# Altium PCB PT-PWR-EPS-002_v1.PcbDoc (part 1 of 3) (continued)
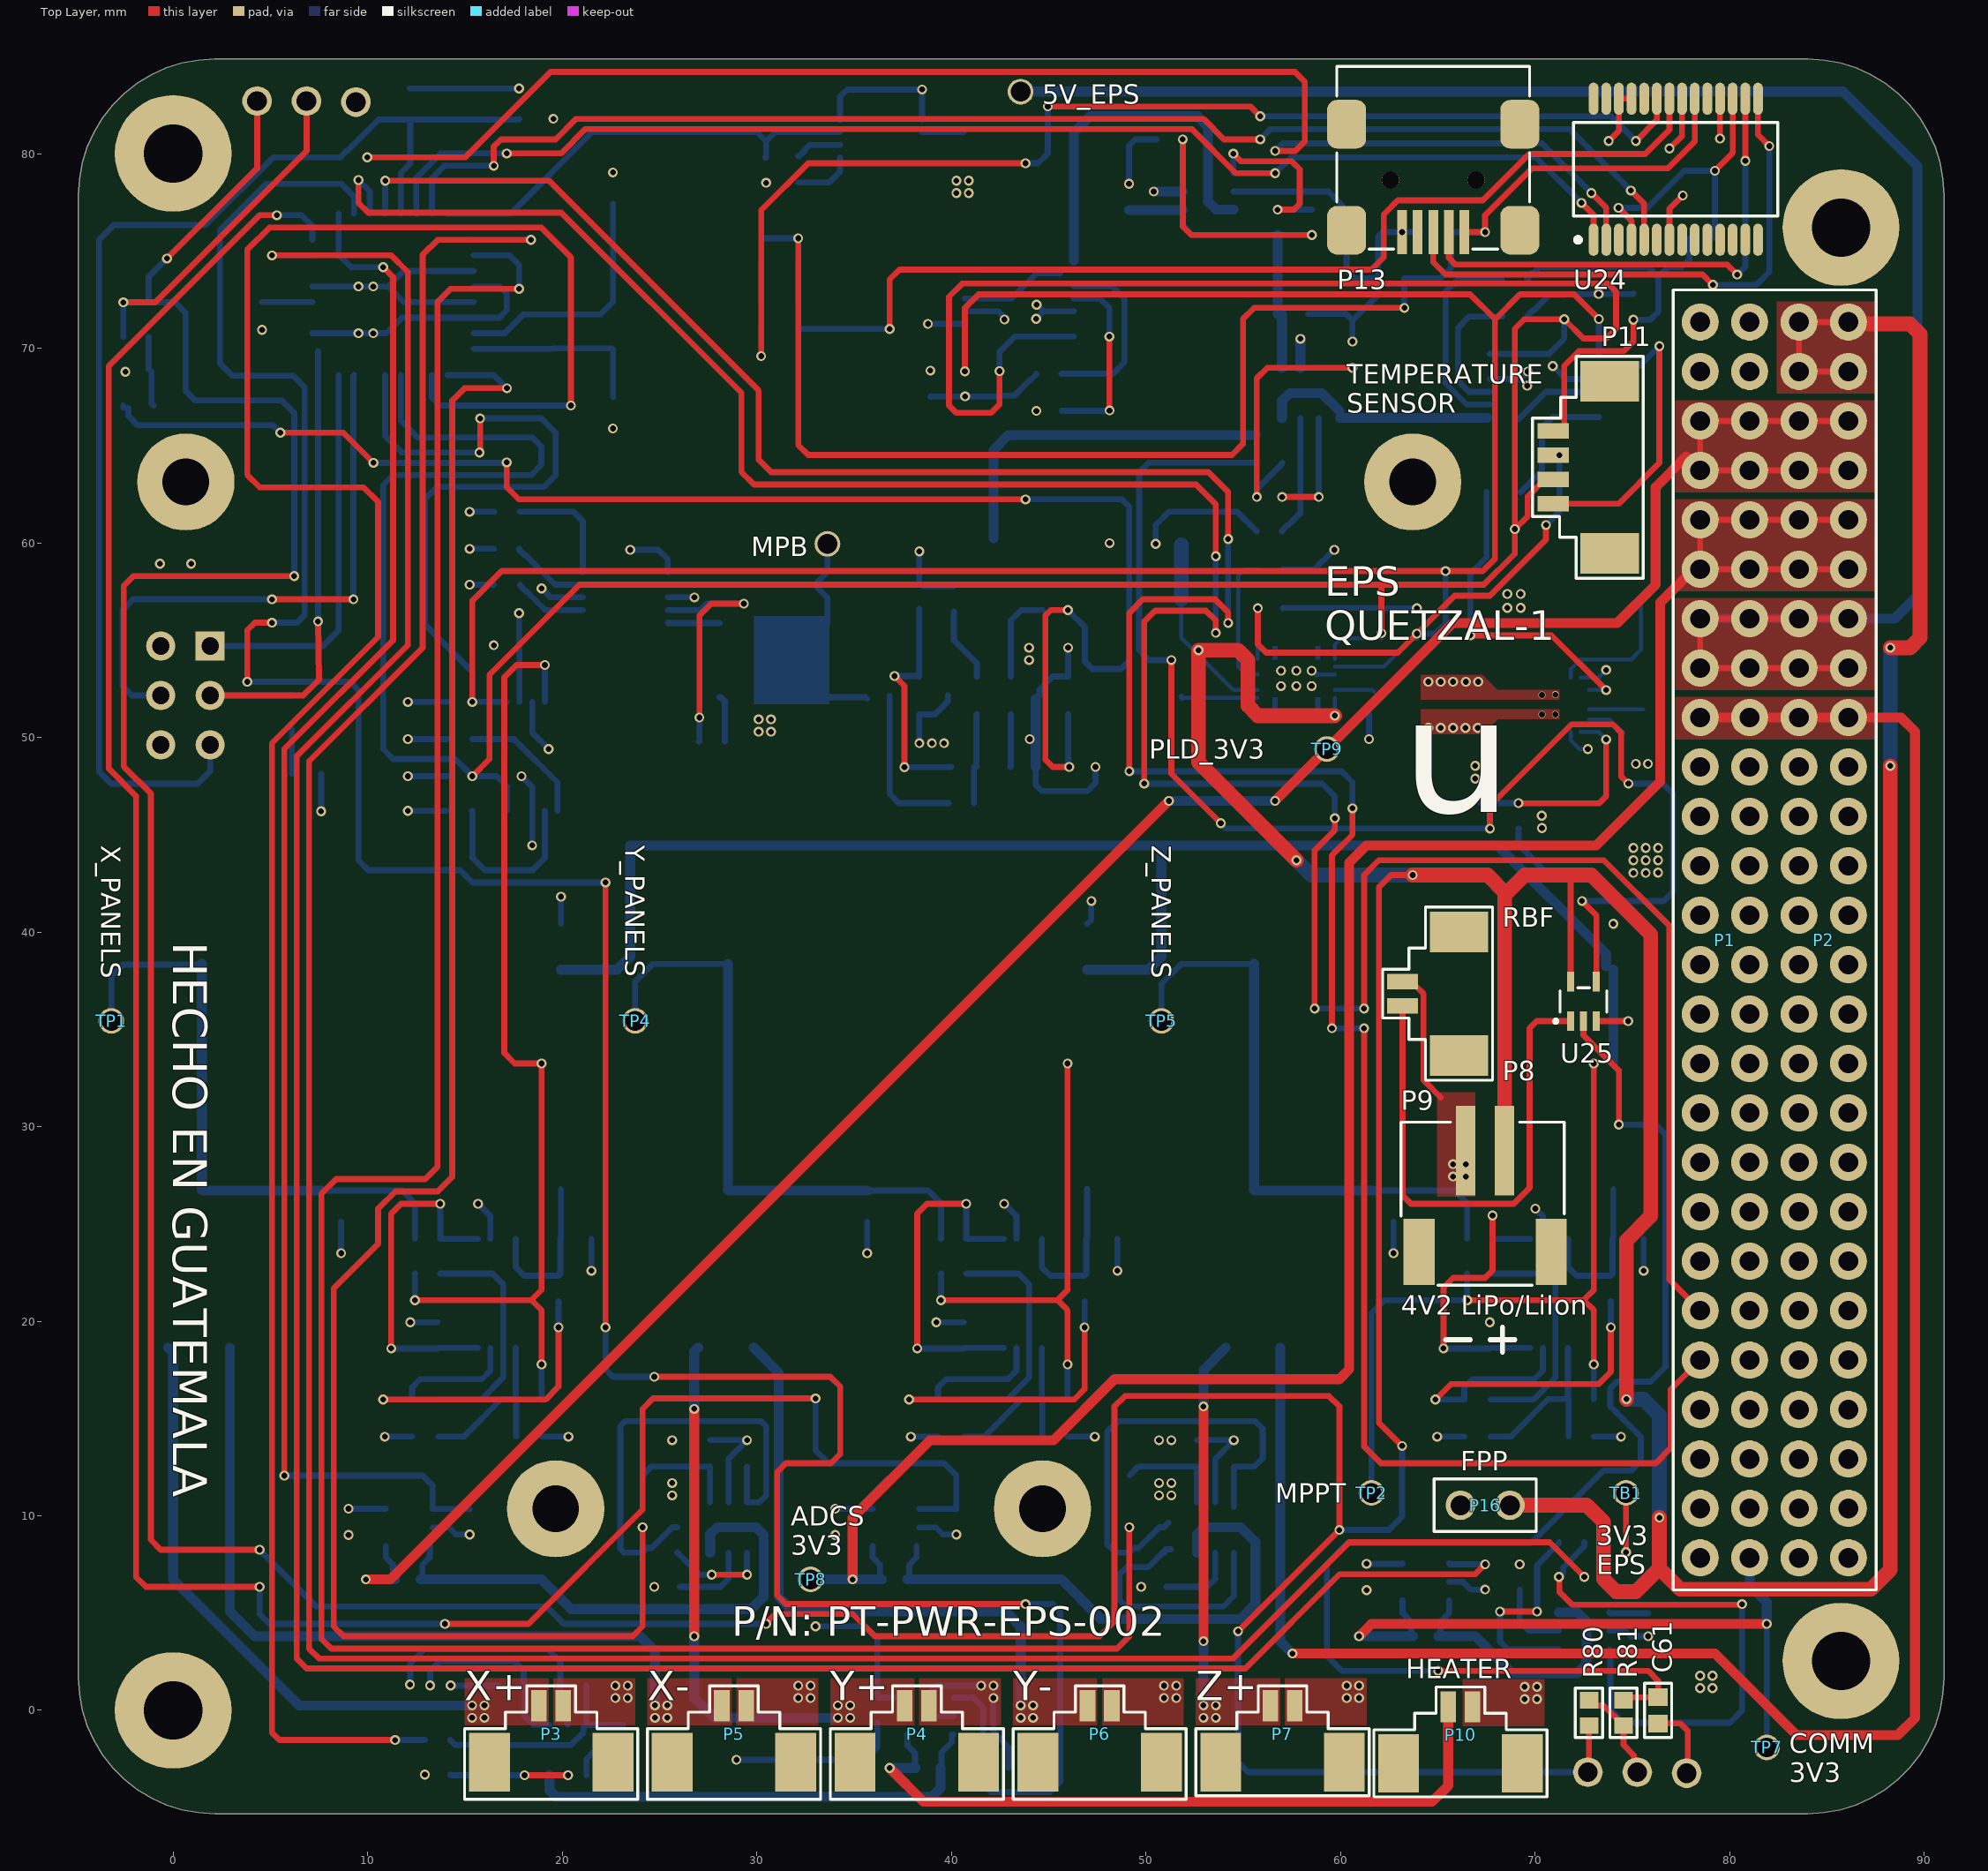
[diagram p0: Top Layer view]
## Part data (continued)
P7 P8 P10: "CONN HEADER 2POS 1.25MM VERT SMD", Color=Natural, Manufacturer=Molex, Supplier Part Number 1=WM7606CT-ND, Category="Connectors, Interconnects", ComponentLink1Description=https://datasheet.ciiva.com/6813/533980271-sd-6813860.pdf, ComponentLink1URL=https://datasheet.ciiva.com/6813/533980271-sd-6813860.pdf, ComponentLink2Description=https://datasheet.ciiva.com/3117/0533980271-pcb-headers-3117624.pdf, ComponentLink2URL=https://datasheet.ciiva.com/3117/0533980271-pcb-headers-3117624.pdf, ComponentLink3Description=https://datasheet.ciiva.com/3117/0533980271-pcb-headers-3117625.pdf, ComponentLink3URL=https://datasheet.ciiva.com/3117/0533980271-pcb-headers-3117625.pdf, ComponentLink4Description=https://datasheet.ciiva.com/6813/533980271-sd-6813869.pdf, ComponentLink4URL=https://datasheet.ciiva.com/6813/533980271-sd-6813869.pdf, Connector Type="Header, Shrouded", Contact Finish=Tin, Contact Finish Thickness="39µin (1.00µm)", Contact Mating Length=-, Contact Type="Blade Pin", Family="Rectangular Connectors - Headers, Male Pins", Fastening Type=-, Features="Solder Retention", Manufacturer Part Number=0533980271, Mounting Type="Surface Mount", Number of Positions=2, Number of Positions Loaded=All, Number of Rows=1, Packaging="Cut Tape (CT)", Pitch="0.049\" (1.25mm)", Pricing 1="1=0.88, 10=0.778, 100=0.6713, 500=0.5493 (USD)", Row Spacing=-, Series="PicoBlade™ 53398", Stock 1=25214, Supplier 1=Digi-Key, Termination=Solder
P9: "CONN HEADER PH SIDE 2POS 2MM SMD", Manufacturer=JST, Supplier Part Number 1=455-1749-1-ND, ComponentLink1Description=https://datasheet.ciiva.com/11747/0900766b80df0d9d-11747104.pdf, ComponentLink1URL=https://datasheet.ciiva.com/11747/0900766b80df0d9d-11747104.pdf, ComponentLink2Description=https://datasheet.ciiva.com/712/eph-712514.pdf, ComponentLink2URL=https://datasheet.ciiva.com/712/eph-712514.pdf, ComponentLink3Description=https://datasheet.ciiva.com/712/eph-712515.pdf, ComponentLink3URL=https://datasheet.ciiva.com/712/eph-712515.pdf, ComponentLink4Description=https://datasheet.ciiva.com/712/eph-712516.pdf, ComponentLink4URL=https://datasheet.ciiva.com/712/eph-712516.pdf, ComponentLink5Description=https://datasheet.ciiva.com/16199/s2b-ph-sm4-tblfsn-16199686.pdf, ComponentLink5URL=https://datasheet.ciiva.com/16199/s2b-ph-sm4-tblfsn-16199686.pdf, ComponentLink6Description=https://datasheet.ciiva.com/26894/getdatasheetpartid-406256-26894907.pdf, ComponentLink6URL=https://datasheet.ciiva.com/26894/getdatasheetpartid-406256-26894907.pdf, Manufacturer Part Number=S2B-PH-SM4-TB(LF)(SN), No of Positions=2, Pitch="2 mm", Pricing 1="1=0.58, 10=0.547, 100=0.4194, 500=0.3647 (USD)", Stock 1=113530, Style/Orientation="Right Angle Header/Plug", Supplier 1=Digi-Key, Termination=Crimp, Type="Shrouded Header"
P11: "CONN HEADER 4POS 1.25MM VERT SMD", Colour=Natural, Contact Resistance=20mR, Current Rating=1A, Flammability Rating="UL94 V-0", Insulation Resistance=100MR, Manufacturer=Molex, Manufacturer Part Number=53398-0471, Max Operating Temperature=85°C, Min Operating Temperature=-40°C, Package Quantity=1000, Supplier Part Number 1=WM7608CT-ND, Voltage Rating=125V, Body Plating=Tin, ComponentLink1Description=https://datasheet.ciiva.com/5154/0533980471-pcb-headers-171069-5154864.pdf, ComponentLink1URL=https://datasheet.ciiva.com/5154/0533980471-pcb-headers-171069-5154864.pdf, ComponentLink2Description=https://datasheet.ciiva.com/39121/1932627-39121616.pdf, ComponentLink2URL=https://datasheet.ciiva.com/39121/1932627-39121616.pdf, ComponentLink3Description=https://datasheet.ciiva.com/23964/0533980471-pcb-headers-23964130.pdf, ComponentLink3URL=https://datasheet.ciiva.com/23964/0533980471-pcb-headers-23964130.pdf, ComponentLink4Description=https://datasheet.ciiva.com/14156/gf116833-116846-e-14156245.pdf, ComponentLink4URL=https://datasheet.ciiva.com/14156/gf116833-116846-e-14156245.pdf, ComponentLink5Description=https://datasheet.ciiva.com/28592/0533980471-pcb-headers-28592022.pdf, ComponentLink5URL=https://datasheet.ciiva.com/28592/0533980471-pcb-headers-28592022.pdf, ComponentLink6Description=https://datasheet.ciiva.com/22700/1841151-22700615.pdf, ComponentLink6URL=https://datasheet.ciiva.com/22700/1841151-22700615.pdf, ComponentLink7Description=https://datasheet.ciiva.com/30178/225160533980471-pcb-headers-30178167.pdf, ComponentLink7URL=https://datasheet.ciiva.com/30178/225160533980471-pcb-headers-30178167.pdf, ComponentLink8Description=https://datasheet.ciiva.com/11748/0900766b80ab946a-11748472.pdf, ComponentLink8URL=https://datasheet.ciiva.com/11748/0900766b80ab946a-11748472.pdf, ComponentLink9Description=https://datasheet.ciiva.com/31408/0533980471-pcb-headers-31408393.pdf, ComponentLink9URL=https://datasheet.ciiva.com/31408/0533980471-pcb-headers-31408393.pdf, ComponentLink10Description=https://datasheet.ciiva.com/46384/1788582-46384012.pdf, ComponentLink10URL=https://datasheet.ciiva.com/46384/1788582-46384012.pdf, ComponentLink11Description=https://datasheet.ciiva.com/9468/0533980471-pcb-headers-9468286.pdf, ComponentLink11URL=https://datasheet.ciiva.com/9468/0533980471-pcb-headers-9468286.pdf, ComponentLink12Description=https://datasheet.ciiva.com/16658/0533980471-pcb-headers-16658431.pdf, ComponentLink12URL=https://datasheet.ciiva.com/16658/0533980471-pcb-headers-16658431.pdf, Contact Material=Bronze,Brass,Tin, Contact Plating=Tin, Gender=Male, Glow Wire Compliant=Non-compliant, Housing Colour=Natural, Housing Material=Nylon, Lead Free="Lead Free", Lead Pitch=1.25mm, Mount="Surface Mount", Number of Circuits=4, Number of Contacts=4, Number of Positions=4, Number of Rows=1, Orientation=Vertical, Packaging="Tape and Reel", Pitch=1.25mm, Pricing 1="1=1.19, 10=1.044, 100=0.901, 500=0.73716 (USD)", Radiation Hardening=No, REACH SVHC=Unknown, Stock 1=49208, Supplier 1=Digi-Key, Termination=Solder, Voltage Rating (AC)=125V, Voltage Rating (DC)=125V, Working Voltage=125V
P12: "CONN HEADER 6POS .100 STR 30AU", Manufacturer="Amphenol FCI", Supplier Part Number 1=609-3393-ND, ComponentLink1Description=https://datasheet.ciiva.com/10149/67996-10149221.pdf, ComponentLink1URL=https://datasheet.ciiva.com/10149/67996-10149221.pdf, ComponentLink2Description=https://datasheet.ciiva.com/46393/1876884-46393067.pdf, ComponentLink2URL=https://datasheet.ciiva.com/46393/1876884-46393067.pdf, ComponentLink3Description=https://datasheet.ciiva.com/722/67996-722044.pdf, ComponentLink3URL=https://datasheet.ciiva.com/722/67996-722044.pdf, ComponentLink4Description=https://datasheet.ciiva.com/5153/67996-222463-5153820.pdf, ComponentLink4URL=https://datasheet.ciiva.com/5153/67996-222463-5153820.pdf, ComponentLink5Description=https://datasheet.ciiva.com/16726/67996-16726286.pdf, ComponentLink5URL=https://datasheet.ciiva.com/16726/67996-16726286.pdf, Contact Material="Phosphor Bronze", Contact Plating=Gold, Contact Termination="Through Hole Vertical", Gender=Header, Manufacturer Part Number=67997-106HLF, No. of Contacts=6, No. of Rows=2, Pitch Spacing=2.54mm, Pricing 1="1=1.73, 10=1.568, 100=1.3436, 500=1.1197, 1000=0.9597, 5000=0.8509, 10000=0.8317 (USD)", Series=67997, Stock 1=896, Supplier 1=Digi-Key
P13: "CONN MINI USB RCPT RA TYPE B SMD", Color=Black, Flammability Rating="UL 94 V-0", Insulation Resistance="100 MOhms", Manufacturer="Amphenol FCI", Supplier Part Number 1=609-4700-1-ND, Brand=FCI, ComponentLink1Description=https://datasheet.ciiva.com/15181/getdatasheetpartid-168038-15181221.pdf, ComponentLink1URL=https://datasheet.ciiva.com/15181/getdatasheetpartid-168038-15181221.pdf, ComponentLink2Description=https://datasheet.ciiva.com/29660/10033526-29660229.pdf, ComponentLink2URL=https://datasheet.ciiva.com/29660/10033526-29660229.pdf, ComponentLink3Description=https://datasheet.ciiva.com/29660/10033526-29660230.pdf, ComponentLink3URL=https://datasheet.ciiva.com/29660/10033526-29660230.pdf, ComponentLink4Description=https://datasheet.ciiva.com/3094/10033526-3094696.pdf, ComponentLink4URL=https://datasheet.ciiva.com/3094/10033526-3094696.pdf, ComponentLink5Description=https://datasheet.ciiva.com/16668/10033526-16668584.pdf, ComponentLink5URL=https://datasheet.ciiva.com/16668/10033526-16668584.pdf, ComponentLink6Description=https://datasheet.ciiva.com/3094/10033526-3094413.pdf, ComponentLink6URL=https://datasheet.ciiva.com/3094/10033526-3094413.pdf, Connector Type="Mini USB Type B Receptacle", Contact Material="Copper Alloy", Contact Plating=Gold, Factory Pack Quantity=750, Gender=Female, Manufacturer Part Number=10033526-N3212LF, Mounting Angle=Right, Number of Contacts="5 Contact", Number of Ports="1 Port", Packaging=Reel, Pricing 1="1=0.71, 10=0.669, 25=0.602, 50=0.5352, 100=0.5128, 250=0.4682 (USD)", Product="Mini USB Type B Connectors", Product Category="USB Connectors", RoHS=Details, Shell Plating=Nickel, Standard=USB, Stock 1=10314, Supplier 1=Digi-Key, Termination Style="Solder Pad"
P14 P15: "CONN HEADER 3 POS 2.54", Colour=Black, Manufacturer="Wurth Electronics", Supplier Part Number 1=732-5316-ND, Connector Type="Male Pin", Contact Material=Copper, Contact Mating Length=0.236inch, Contact Plating=Gold, Gender=Male, Lead Free="Lead Free", Manufacturer Part Number=61300311121, Mount="Through Hole", Number of Contacts=3, Number of Positions=3, Number of Rows=1, Packaging=Bulk, Pitch=0.1inch, REACH SVHC=Unknown, Stock 1=175744, Supplier 1=Digi-Key, Termination=Solder
P16: "CONN HEADER 2 POS 2.54", Colour=Black, Current Rating=3A, Manufacturer="Wurth Electronics", Max Operating Temperature=125°C, Min Operating Temperature=-40°C, Supplier Part Number 1=732-5315-ND, Voltage Rating=250V, ComponentLink1Description=https://datasheet.ciiva.com/13619/6130xx11121-48870-13619345.pdf, ComponentLink1URL=https://datasheet.ciiva.com/13619/6130xx11121-48870-13619345.pdf, Connector Type="Male Pin", Contact Gender=Male, Contact Material="Copper,Copper Alloy", Contact Mating Length=0.236inch, Contact Plating=Gold, Gender=Male, Housing Material=PBT, Lead Free="Lead Free", Manufacturer Part Number=61300211121, Mount="Through Hole", Number of Contacts=2, Number of Positions=2, Number of Rows=1, Packaging=Bulk, Pitch=0.1inch, Pricing 1="1=0.13, 10=0.106, 25=0.088, 50=0.074, 100=0.067, 1000=0.061 (USD)", REACH SVHC=Unknown, Stock 1=98753, Supplier 1=Digi-Key, Termination="Through Hole"
Q1: "MOSFET N-CH 25V 52A 8SON", Case/Package=QFN, Continuous Drain Current (ID)=52A, Drain to Source Breakdown Voltage=25V, Drain to Source Resistance=9mR, Gate to Source Voltage (Vgs)=16V, Input Capacitance=530pF, Manufacturer="Texas Instruments", Max Operating Temperature=150°C, Max Power Dissipation=3W, Min Operating Temperature=-55°C, Package Quantity=1, Supplier Part Number 1=296-24256-1-ND, Threshold Voltage=2V, ComponentLink1Description=https://datasheet.ciiva.com/6387/csd16412q5a-6387536.pdf?src-supplier=Digi-Key, ComponentLink1URL=https://datasheet.ciiva.com/6387/csd16412q5a-6387536.pdf?src-supplier=Digi-Key, ComponentLink2Description=https://datasheet.ciiva.com/14423/slps207a-14423489.pdf?src-supplier=Avnet, ComponentLink2URL=https://datasheet.ciiva.com/14423/slps207a-14423489.pdf?src-supplier=Avnet, ComponentLink3Description=https://datasheet.ciiva.com/1255/csd16412q5a-1255298.pdf?src-supplier=Newark, ComponentLink3URL=https://datasheet.ciiva.com/1255/csd16412q5a-1255298.pdf?src-supplier=Newark, ComponentLink4Description=https://datasheet.ciiva.com/4438/slps207a-122183-4438713.pdf?src-supplier=Mouser, ComponentLink4URL=https://datasheet.ciiva.com/4438/slps207a-122183-4438713.pdf?src-supplier=Mouser, ComponentLink5Description=https://datasheet.ciiva.com/5751/483980-5751769.pdf?src-supplier=Farnell, ComponentLink5URL=https://datasheet.ciiva.com/5751/483980-5751769.pdf?src-supplier=Farnell, ComponentLink6Description=https://datasheet.ciiva.com/6387/csd16412q5a-6387530.pdf?src-supplier=Digi-Key, ComponentLink6URL=https://datasheet.ciiva.com/6387/csd16412q5a-6387530.pdf?src-supplier=Digi-Key, ComponentLink7Description=https://datasheet.ciiva.com/14192/slps207a-14192890.pdf?src-supplier=Avnet, ComponentLink7URL=https://datasheet.ciiva.com/14192/slps207a-14192890.pdf?src-supplier=Avnet, ComponentLink8Description=https://datasheet.ciiva.com/6387/csd16412q5a-6387532.pdf?src-supplier=Digi-Key, ComponentLink8URL=https://datasheet.ciiva.com/6387/csd16412q5a-6387532.pdf?src-supplier=Digi-Key, Contact Plating=Tin, Drain to Source Voltage (Vdss)=25V, Dual Supply Voltage=25V, Element Configuration=Single, Fall Time=3.3ns, Height=1.1mm, Lead Free="Contains Lead", Length=5.8mm, Manufacturer Part Number=CSD16412Q5A, Mount="Surface Mount", Nominal Vgs=2V, Number of Elements=1, Number of Pins=8, Packaging="Tape and Reel", Power Dissipation=3W, Pricing 1="1 = 1.00000, 10 = 0.87200, 100 = 0.67300, 500 = 0.49852, 1000 = 0.39882 (USD)", Radiation Hardening=No, Rds On Max=11mR, REACH SVHC="No SVHC", Rise Time=7.1ns, RoHS=Yes, Stock 1=7977, Supplier 1=Digi-Key, Termination=SMD/SMT, Turn-Off Delay Time=5.7ns, Turn-On Delay Time=5.5ns, Width=5mm
R1 R2 R16 R17 R25 R26 R27 R30 R37 R38 R48 R49 R54 R75 R80 R82: "RES SMD 10K OHM 1% 1/8W 0603", Case/Package=0603, Case Code (Metric)=1608, Manufacturer="Stackpole Electronics", Max Operating Temperature=155°C, Max Power Dissipation=125mW, Min Operating Temperature=-55°C, Resistance=10k, Supplier Part Number 1=RNCP0603FTD10K0CT-ND, Temperature Coefficient=100ppm/°C, Tolerance=1%, Case Code (Imperial)=0603, ComponentLink1Description=https://www.seielect.com/Catalog/SEI-rncp.pdf?src-supplier=Avnet, ComponentLink1URL=https://www.seielect.com/Catalog/SEI-rncp.pdf?src-supplier=Avnet, ComponentLink2Description=https://www.seielect.com/catalog/SEI-Packaging.pdf?src-supplier=Digi-Key, ComponentLink2URL=https://www.seielect.com/catalog/SEI-Packaging.pdf?src-supplier=Digi-Key, ComponentLink3Description=https://www.seielect.com/Catalog/SEI-rncp.pdf?src-supplier=Digi-Key, ComponentLink3URL=https://www.seielect.com/Catalog/SEI-rncp.pdf?src-supplier=Digi-Key, Composition="Thin Film", Contact Plating=Tin, Features="Moisture Resistant", Height=0.02inch, Lead Free="Lead Free", Length=0.059inch, Manufacturer Part Number=RNCP0603FTD10K0, Mount="Surface Mount", Number of Terminations=2, Packaging="Tape and Reel", Pricing 1="1 = 0.10000, 10 = 0.06700, 100 = 0.02730, 1000 = 0.01224, 2500 = 0.01063 (USD)", Radiation Hardening=No, RoHS=Yes, Stock 1=579582, Supplier 1=Digi-Key, Width=0.031inch
R3 R11 R19: "RES SMD 0.091 OHM 1% 2W 2512", Case/Package=2512, Case Code (Metric)=6432, Manufacturer="TE Connectivity", Manufacturer Part Number=2-2176057-4, Max Operating Temperature=155°C, Max Power Dissipation=2W, Min Operating Temperature=-55°C, Package Quantity=1000, Resistance=0.091, Supplier Part Number 1=A109693CT-ND, Temperature Coefficient=300ppm/°C, Tolerance=1%, Case Code (Imperial)=2512, ComponentLink1Description=http://www.te.com/commerce/DocumentDelivery/DDEController?Action=srchrtrv&DocNm=2176057&DocType=Customer+Drawing&DocLang=English&src-supplier=Digi-Key, ComponentLink1URL=http://www.te.com/commerce/DocumentDelivery/DDEController?Action=srchrtrv&DocNm=2176057&DocType=Customer+Drawing&DocLang=English&src-supplier=Digi-Key, Composition="Thick Film", Height=0.033inch, Length=0.25inch, Number of Terminations=2, Packaging="Tape and Reel", Pricing 1="1=0.75, 10=0.629, 25=0.5392, 50=0.4852, 100=0.4224, 250=0.37744, 500=0.30554 (USD)", Stock 1=2342, Supplier 1=Digi-Key, Width=0.124inch
R4 R5 R7 R12 R13 R15 R20 R21 R23 R33 R34 R39 R51 R56 R61 R66 R71 R76 R77 R78: "RES SMD 1K OHM 5% 1/4W 0603", Case/Package=0603, Case Code (Metric)=1608, Manufacturer=Rohm, Max Operating Temperature=155°C, Max Power Dissipation=250mW, Min Operating Temperature=-55°C, Package Quantity=1, Resistance=1k, Supplier Part Number 1=RHM1.0KDCT-ND, Temperature Coefficient=200ppm/°C, Tolerance=5%, Case Code (Imperial)=0603, ComponentLink1Description=https://datasheet.ciiva.com/2469/esr-2469603.pdf?src-supplier=Digi-Key, ComponentLink1URL=https://datasheet.ciiva.com/2469/esr-2469603.pdf?src-supplier=Digi-Key, ComponentLink2Description=https://datasheet.ciiva.com/2469/esr-2469604.pdf?src-supplier=Digi-Key, ComponentLink2URL=https://datasheet.ciiva.com/2469/esr-2469604.pdf?src-supplier=Digi-Key, ComponentLink3Description=https://datasheet.ciiva.com/2469/esr-2469605.pdf?src-supplier=Digi-Key, ComponentLink3URL=https://datasheet.ciiva.com/2469/esr-2469605.pdf?src-supplier=Digi-Key, Composition="Thick Film", Features="Automotive AEC-Q200", Height=0.022inch, Lead Free="Lead Free", Length=0.063inch, Manufacturer Part Number=ESR03EZPJ102, Number of Terminations=2, Packaging="Tape and Reel", Pricing 1="1 = 0.10000, 10 = 0.08300, 100 = 0.03180, 1000 = 0.01398, 2500 = 0.01207 (USD)", RoHS=Yes, Stock 1=187581, Supplier 1=Digi-Key, Width=0.031inch
R6 R14 R22: "RES SMD 1.2M OHM 5% 1/10W 0603", Case/Package=0603, Case Code (Metric)=1608, Manufacturer=Yageo, Max Operating Temperature=155°C, Min Operating Temperature=-55°C, Package Quantity=5000, Power Rating=100mW, Resistance=1.2M, Supplier Part Number 1=311-1.2MGRCT-ND, Temperature Coefficient=100ppm/°C, Tolerance=5%, Voltage Rating=50V, Case Code (Imperial)=0603, ComponentLink1Description=http://www.mouser.com/ds/2/447/RC0603-272842.pdf?src-supplier=Mouser, ComponentLink1URL=http://www.mouser.com/ds/2/447/RC0603-272842.pdf?src-supplier=Mouser, ComponentLink2Description=http://components.arrow.com/part/dataview/0323_03542222?src-supplier=Arrow+Europe, ComponentLink2URL=http://components.arrow.com/part/dataview/0323_03542222?src-supplier=Arrow+Europe, ComponentLink3Description=http://www.yageo.com/documents/recent/PYu-RC_Group_51_RoHS_L_9.pdf?src-supplier=Digi-Key, ComponentLink3URL=http://www.yageo.com/documents/recent/PYu-RC_Group_51_RoHS_L_9.pdf?src-supplier=Digi-Key, ComponentLink4Description=http://www.yageo.com/documents/recent/PYu-RC0603_51_RoHS_L_5.pdf?src-supplier=Avnet+Europe, ComponentLink4URL=http://www.yageo.com/documents/recent/PYu-RC0603_51_RoHS_L_5.pdf?src-supplier=Avnet+Europe, ComponentLink5Description=http://www.yageo.com/documents/recent/PYu-RC_Group_51_RoHS_L_10.pdf?src-supplier=Digi-Key, ComponentLink5URL=http://www.yageo.com/documents/recent/PYu-RC_Group_51_RoHS_L_10.pdf?src-supplier=Digi-Key, ComponentLink6Description=http://www.yageo.com/documents/recent/PYu-RC_Group_51_RoHS_L_2.pdf?src-supplier=Avnet, ComponentLink6URL=http://www.yageo.com/documents/recent/PYu-RC_Group_51_RoHS_L_2.pdf?src-supplier=Avnet, ComponentLink7Description=http://www.yageo.com/documents/recent/PYu-RC0603_51_RoHS_L_7.pdf?src-supplier=Future+Electronics, ComponentLink7URL=http://www.yageo.com/documents/recent/PYu-RC0603_51_RoHS_L_7.pdf?src-supplier=Future+Electronics, Composition="Thick Film", Contact Plating=Tin, Depth=0.8mm, Height=0.45mm, Lead Free="Lead Free", Length=1.6mm, Manufacturer Part Number=RC0603JR-071M2L, Military Standard=Not, Packaging="Tape and Reel", Pricing 1="1 = 0.10000, 10 = 0.02000, 100 = 0.00810, 1000 = 0.00362, 2500 = 0.00314 (USD)", Radiation Hardening=No, RoHS=Yes, Stock 1=292684, Supplier 1=Digi-Key, Termination=SMD/SMT, Voltage Rating (DC)=50V, Width=0.8mm
R8 R9 R36 R41 R47 R53: "RES SMD 0 OHM JUMPER 1/10W 0603", Case/Package=0603, Case Code (Metric)=1608, Current Rating=1A, Manufacturer="Stackpole Electronics", Max Operating Temperature=155°C, Max Power Dissipation=100mW, Min Operating Temperature=-55°C, Resistance=0, Supplier Part Number 1=RMCF0603ZT0R00CT-ND, Working Voltage=75V, Case Code (Imperial)=0603, ComponentLink1Description=https://www.seielect.com/catalog/SEI-Packaging.pdf?src-supplier=Avnet, ComponentLink1URL=https://www.seielect.com/catalog/SEI-Packaging.pdf?src-supplier=Avnet, ComponentLink2Description=https://www.seielect.com/catalog/SEI-Packaging.pdf?src-supplier=Verical, ComponentLink2URL=https://www.seielect.com/catalog/SEI-Packaging.pdf?src-supplier=Verical, ComponentLink3Description=https://www.seielect.com/catalog/SEI-Packaging.pdf?src-supplier=Arrow, ComponentLink3URL=https://www.seielect.com/catalog/SEI-Packaging.pdf?src-supplier=Arrow, ComponentLink4Description=https://www.seielect.com/catalog/SEI-Packaging.pdf?src-supplier=Digi-Key, ComponentLink4URL=https://www.seielect.com/catalog/SEI-Packaging.pdf?src-supplier=Digi-Key, ComponentLink5Description=https://www.seielect.com/Catalog/SEI-RMCF_RMCP.pdf?src-supplier=Digi-Key, ComponentLink5URL=https://www.seielect.com/Catalog/SEI-RMCF_RMCP.pdf?src-supplier=Digi-Key, ComponentLink6Description=https://www.seielect.com/catalog/SEI-Packaging.pdf?src-supplier=Future+Electronics, ComponentLink6URL=https://www.seielect.com/catalog/SEI-Packaging.pdf?src-supplier=Future+Electronics, Composition="Thick Film", Contact Plating=Tin, Depth=0.8mm, Features="Automotive AEC-Q200", Height=0.022inch, Lead Free="Lead Free", Length=1.55mm, Manufacturer Part Number=RMCF0603ZT0R00, Military Standard=Not, Mount="Surface Mount", Number of Terminations=2, Packaging="Tape and Reel", Power Rating=100mW, Pricing 1="1 = 0.10000, 10 = 0.01600, 25 = 0.01160, 50 = 0.00880, 100 = 0.00640, 250 = 0.00492, 500 = 0.00392, 1000 = 0.00289 (USD)", Radiation Hardening=No, RoHS=Yes, Stock 1=3031399, Supplier 1=Digi-Key, Width=0.031inch
R10 R18 R24: "RES SMD 510K OHM 1% 1/10W 0603", Case/Package=0603, Case Code (Metric)=1608, Manufacturer="Stackpole Electronics", Max Operating Temperature=155°C, Max Power Dissipation=100mW, Min Operating Temperature=-55°C, Package Quantity=5000, Resistance=510k, Supplier Part Number 1=RMCF0603FT510KCT-ND, Temperature Coefficient=100ppm/°C, Tolerance=1%, Case Code (Imperial)=0603, ComponentLink1Description=https://www.seielect.com/catalog/SEI-Packaging.pdf?src-supplier=Digi-Key, ComponentLink1URL=https://www.seielect.com/catalog/SEI-Packaging.pdf?src-supplier=Digi-Key, ComponentLink2Description=https://www.seielect.com/Catalog/SEI-RMCF_RMCP.pdf?src-supplier=Digi-Key, ComponentLink2URL=https://www.seielect.com/Catalog/SEI-RMCF_RMCP.pdf?src-supplier=Digi-Key, ComponentLink3Description=http://www.seielect.com/Catalog/SEI-RMCF_RMCP.pdf?src-supplier=Digi-Key, ComponentLink3URL=http://www.seielect.com/Catalog/SEI-RMCF_RMCP.pdf?src-supplier=Digi-Key, ComponentLink4Description=https://www.seielect.com/catalog/SEI-RMCF_RMCP.pdf?src-supplier=Avnet, ComponentLink4URL=https://www.seielect.com/catalog/SEI-RMCF_RMCP.pdf?src-supplier=Avnet, Composition="Thick Film", Contact Plating=Tin, Features="Automotive AEC-Q200", Height=0.022inch, Lead Free="Lead Free", Length=0.061inch, Manufacturer Part Number=RMCF0603FT510K, Mount="Surface Mount", Number of Terminations=2, Packaging="Tape and Reel", Pricing 1="1 = 0.10000, 10 = 0.01700, 100 = 0.00680, 1000 = 0.00306, 2500 = 0.00266 (USD)", Radiation Hardening=No, RoHS=Yes, Stock 1=59350, Supplier 1=Digi-Key, Width=0.031inch
R28: "RES 0.01 OHM 1% 1W 2010", Case/Package=2010, Case Code (Metric)=5025, Manufacturer="Stackpole Electronics", Max Operating Temperature=155°C, Max Power Dissipation=1W, Min Operating Temperature=-55°C, Resistance=0.01, Supplier Part Number 1=CSRN2010FK10L0DKR-ND, Temperature Coefficient=250ppm/°C, Tolerance=1%, Case Code (Imperial)=2010, Composition="Thick Film", Contact Plating=Matte,Tin, Height=0.03inch, Length=0.197inch, Manufacturer Part Number=CSRN2010FK10L0, Mount="Surface Mount", Number of Terminations=2, Packaging="Tape and Reel", Power Rating=1W, Pricing 1="1=0.58, 10=0.485, 25=0.416, 50=0.3742, 100=0.3257, 250=0.29108, 500=0.23562 (USD)", Radiation Hardening=No, Stock 1=15344, Supplier 1=Digi-Key, Width=0.097inch
R29 R35 R42 R50 R59 R64 R69 R74: "RES SMD 100K OHM 5% 1/10W 0603", Case/Package=0603, Case Code (Metric)=1608, Manufacturer=Bourns, Max Operating Temperature=155°C, Min Operating Temperature=-55°C, Package Quantity=5000, Power Rating=100mW, Resistance=100k, Supplier Part Number 1=CR0603-JW-104ELFCT-ND, Temperature Coefficient=200ppm/°C, Tolerance=5%, Voltage Rating=50V, Case Code (Imperial)=0603, ComponentLink1Description=https://datasheet.ciiva.com/22713/691949-22713239.pdf?src-supplier=Element14, ComponentLink1URL=https://datasheet.ciiva.com/22713/691949-22713239.pdf?src-supplier=Element14, ComponentLink2Description=https://datasheet.ciiva.com/23776/1902866-23776391.pdf?src-supplier=Newark, ComponentLink2URL=https://datasheet.ciiva.com/23776/1902866-23776391.pdf?src-supplier=Newark, ComponentLink3Description=https://datasheet.ciiva.com/16766/70154685-16766760.pdf?src-supplier=Allied+Electronics, ComponentLink3URL=https://datasheet.ciiva.com/16766/70154685-16766760.pdf?src-supplier=Allied+Electronics, ComponentLink4Description=https://datasheet.ciiva.com/30229/159chpreztr-30229129.pdf?src-supplier=Onlinecomponents.com, ComponentLink4URL=https://datasheet.ciiva.com/30229/159chpreztr-30229129.pdf?src-supplier=Onlinecomponents.com, ComponentLink5Description=https://datasheet.ciiva.com/16935/chpreztr-16935963.pdf?src-supplier=Avnet+Europe, ComponentLink5URL=https://datasheet.ciiva.com/16935/chpreztr-16935963.pdf?src-supplier=Avnet+Europe, ComponentLink6Description=https://datasheet.ciiva.com/5543/chpreztr-5543676.pdf?src-supplier=Mouser, ComponentLink6URL=https://datasheet.ciiva.com/5543/chpreztr-5543676.pdf?src-supplier=Mouser, ComponentLink7Description=https://datasheet.ciiva.com/9120/chpreztr-9120764.pdf?src-supplier=Avnet, ComponentLink7URL=https://datasheet.ciiva.com/9120/chpreztr-9120764.pdf?src-supplier=Avnet, ComponentLink8Description=https://datasheet.ciiva.com/46383/1791942-46383790.pdf?src-supplier=Element14, ComponentLink8URL=https://datasheet.ciiva.com/46383/1791942-46383790.pdf?src-supplier=Element14, ComponentLink9Description=https://datasheet.ciiva.com/48692/001055501-da-01-en-smd-wid-cr0603-jw-104elf-100k-ohm-1-10w-48692133.pdf?src-supplier=Conrad, ComponentLink9URL=https://datasheet.ciiva.com/48692/001055501-da-01-en-smd-wid-cr0603-jw-104elf-100k-ohm-1-10w-48692133.pdf?src-supplier=Conrad, Composition="Thick Film", Contact Plating=Tin, Depth=0.8mm, Height=0.45mm, Length=1.6mm, Manufacturer Part Number=CR0603-JW-104ELF, Military Standard=Not, Mount="Surface Mount", Number of Pins=2, Packaging="Tape and Reel", Pricing 1="1 = 0.10000, 10 = 0.01500, 25 = 0.01080, 50 = 0.00840, 100 = 0.00610, 250 = 0.00468, 500 = 0.00374, 1000 = 0.00275 (USD)", Radiation Hardening=No, REACH SVHC="No SVHC", RoHS=Yes, Stock 1=138181, Supplier 1=Digi-Key, Termination=SMD/SMT, Thickness=457um, Voltage Rating (DC)=50V, Width=0.8mm, Working Voltage=50V
R31: "RES SMD 33K OHM 1% 1/10W 0603", Manufacturer="TE Connectivity", Supplier Part Number 1=A129706CT-ND, ComponentLink1Description=http://sigma.octopart.com/114683329/technical_drawing/TE-Connectivity-CRGCQ0603F33K.pdf?src-supplier=TE+Connectivity, ComponentLink1URL=http://sigma.octopart.com/114683329/technical_drawing/TE-Connectivity-CRGCQ0603F33K.pdf?src-supplier=TE+Connectivity, ComponentLink2Description=http://datasheet.octopart.com/CRGCQ0603F33K-TE-Connectivity-datasheet-114679081.pdf?src-supplier=TE+Connectivity, ComponentLink2URL=http://datasheet.octopart.com/CRGCQ0603F33K-TE-Connectivity-datasheet-114679081.pdf?src-supplier=TE+Connectivity, Manufacturer Part Number=CRGCQ0603F33K, Pricing 1="1 = 0.10000, 10 = 0.03100, 100 = 0.01260, 1000 = 0.00568, 2500 = 0.00493 (USD)", Stock 1=142729, Supplier 1=Digi-Key
R32: "RES SMD 110K OHM 1% 1/10W 0603", Case/Package=0603, Case Code (Metric)=1608, Manufacturer=Yageo, Max Operating Temperature=155°C, Max Power Dissipation=100mW, Min Operating Temperature=-55°C, Package Quantity=1, Resistance=110k, Supplier Part Number 1=311-110KHRCT-ND, Temperature Coefficient=100ppm/°C, Tolerance=1%, Voltage Rating=50V, Case Code (Imperial)=0603, ComponentLink1Description=http://documents.rs-components.com/techlib://itc_doclist_GB.htm?stockno=5049117&src-supplier=RSComponents, ComponentLink1URL=http://documents.rs-components.com/techlib://itc_doclist_GB.htm?stockno=5049117&src-supplier=RSComponents, ComponentLink2Description=http://www.yageo.com/documents/recent/PYu-RC_Group_51_RoHS_L_10.pdf?src-supplier=Digi-Key, ComponentLink2URL=http://www.yageo.com/documents/recent/PYu-RC_Group_51_RoHS_L_10.pdf?src-supplier=Digi-Key, ComponentLink3Description=https://www.verical.com/server-webapp/html/getDatasheet?partID=324995&src-supplier=Verical, ComponentLink3URL=https://www.verical.com/server-webapp/html/getDatasheet?partID=324995&src-supplier=Verical, ComponentLink4Description=http://www.yageo.com/documents/recent/PYu-RC_Group_51_RoHS_L_9.pdf?src-supplier=Digi-Key, ComponentLink4URL=http://www.yageo.com/documents/recent/PYu-RC_Group_51_RoHS_L_9.pdf?src-supplier=Digi-Key, Composition="Thick Film", Depth=0.8mm, Features="Moisture Resistant", Height=0.022inch, Lead Free="Lead Free", Length=1.6mm, Manufacturer Part Number=RC0603FR-07110KL, Military Standard=Not, Mount="Surface Mount", Number of Terminations=2, Packaging="Tape and Reel", Power Rating=100mW, Pricing 1="1=0.1, 10=0.024, 100=0.0097, 1000=0.00437, 2500=0.00379 (USD)", Stock 1=1846762, Supplier 1=Digi-Key, Termination=SMD/SMT, Voltage Rating (DC)=50V, Width=0.031inch
R40 R52 R57 R62 R67 R72: "RES SMD 75K OHM 1% 1/10W 0603", Case/Package=0603, Case Code (Metric)=1608, Manufacturer=Panasonic, Max Operating Temperature=155°C, Max Power Dissipation=100mW, Min Operating Temperature=-55°C, Package Quantity=1, Resistance=75k, Supplier Part Number 1=P75.0KHCT-ND, Temperature Coefficient=100ppm/°C, Tolerance=1%, Voltage Rating=75V, Voltage Rating (DC)=50V, Case Code (Imperial)=0603, ComponentLink1Description=https://datasheet.ciiva.com/34303/1988401-34303605.pdf?src-supplier=Jameco, ComponentLink1URL=https://datasheet.ciiva.com/34303/1988401-34303605.pdf?src-supplier=Jameco, ComponentLink2Description=https://datasheet.ciiva.com/24069/aoa0000ce2-24069064.pdf?src-supplier=Mouser, ComponentLink2URL=https://datasheet.ciiva.com/24069/aoa0000ce2-24069064.pdf?src-supplier=Mouser, ComponentLink3Description=https://datasheet.ciiva.com/28596/1678782-28596232.pdf?src-supplier=Element14, ComponentLink3URL=https://datasheet.ciiva.com/28596/1678782-28596232.pdf?src-supplier=Element14, ComponentLink4Description=https://datasheet.ciiva.com/15159/getdatasheetpartid-28812-15159210.pdf?src-supplier=Verical, ComponentLink4URL=https://datasheet.ciiva.com/15159/getdatasheetpartid-28812-15159210.pdf?src-supplier=Verical, ComponentLink5Description=https://datasheet.ciiva.com/31835/aoa0000ce2-31835674.pdf?src-supplier=Onlinecomponents.com, ComponentLink5URL=https://datasheet.ciiva.com/31835/aoa0000ce2-31835674.pdf?src-supplier=Onlinecomponents.com, ComponentLink6Description=https://datasheet.ciiva.com/28676/1678782-28676971.pdf?src-supplier=Element14, ComponentLink6URL=https://datasheet.ciiva.com/28676/1678782-28676971.pdf?src-supplier=Element14, ComponentLink7Description=https://datasheet.ciiva.com/46374/426256-46374235.pdf?src-supplier=Element14, ComponentLink7URL=https://datasheet.ciiva.com/46374/426256-46374235.pdf?src-supplier=Element14, ComponentLink8Description=https://datasheet.ciiva.com/48531/aoa0000ce2-48531550.pdf?src-supplier=Avnet, ComponentLink8URL=https://datasheet.ciiva.com/48531/aoa0000ce2-48531550.pdf?src-supplier=Avnet, ComponentLink9Description=https://datasheet.ciiva.com/9187/aoa0000ce2-9187719.pdf?src-supplier=Avnet, ComponentLink9URL=https://datasheet.ciiva.com/9187/aoa0000ce2-9187719.pdf?src-supplier=Avnet, Composition="Thick Film", Contact Plating=Tin, Depth=0.8mm, Features="Automotive AEC-Q200", Height=0.45mm, Lead Free="Lead Free", Length=1.6mm, Manufacturer Part Number=ERJ3EKF7502V, Military Standard=Not, Mount="Surface Mount", Number of Terminations=2, Packaging="Tape and Reel", Power Rating=100mW, Pricing 1="1 = 0.10000, 10 = 0.06500, 100 = 0.02640, 1000 = 0.01186, 2500 = 0.01029 (USD)", Radiation Hardening=No, REACH SVHC="No SVHC", RoHS=Yes, Stock 1=1035475, Supplier 1=Digi-Key, Termination=SMD/SMT, Width=0.031inch
R43 R44: "RES SMD 10K OHM 1% 1/8W 0805", Case Code - in=0805, Case Code - mm=2012, Manufacturer=Yageo, Operating Temperature Range="- 55 C to + 155 C", Power Rating="125 mW (1/8 W)", Resistance=10k, Supplier Part Number 1=311-10.0KCRCT-ND, Temperature Coefficient="100 PPM / C", Tolerance="1 %", Voltage Rating="150 V", ComponentLink1Description=https://datasheet.ciiva.com/11808/0900766b8106beab-11808151.pdf, ComponentLink1URL=https://datasheet.ciiva.com/11808/0900766b8106beab-11808151.pdf, ComponentLink2Description=https://datasheet.ciiva.com/12669/rc0805-12669688.pdf, ComponentLink2URL=https://datasheet.ciiva.com/12669/rc0805-12669688.pdf, ComponentLink3Description=https://datasheet.ciiva.com/46447/444164-46447563.pdf, ComponentLink3URL=https://datasheet.ciiva.com/46447/444164-46447563.pdf, ComponentLink4Description=https://datasheet.ciiva.com/2456/pyu-r-int-thick-7-2456972.pdf, ComponentLink4URL=https://datasheet.ciiva.com/2456/pyu-r-int-thick-7-2456972.pdf, ComponentLink5Description=https://datasheet.ciiva.com/2456/pyu-r-int-thick-7-2456973.pdf, ComponentLink5URL=https://datasheet.ciiva.com/2456/pyu-r-int-thick-7-2456973.pdf, ComponentLink6Description=https://datasheet.ciiva.com/2456/pyu-r-int-thick-7-2456974.pdf, ComponentLink6URL=https://datasheet.ciiva.com/2456/pyu-r-int-thick-7-2456974.pdf, ComponentLink7Description=https://datasheet.ciiva.com/16747/rc0805-16747087.pdf, ComponentLink7URL=https://datasheet.ciiva.com/16747/rc0805-16747087.pdf, Manufacturer Part Number=RC0805FR-0710KL, Packaging=Reel, Pricing 1="1=0.1, 10=0.022, 100=0.0088, 1000=0.004, 2500=0.0034 (USD)", Product="Thick Film Resistors General Purpose", Series=RC, Stock 1=19355771, Supplier 1=Digi-Key, Termination Style=SMD/SMT